# KiCad board 10p_4psw.kicad_pcb (continued)
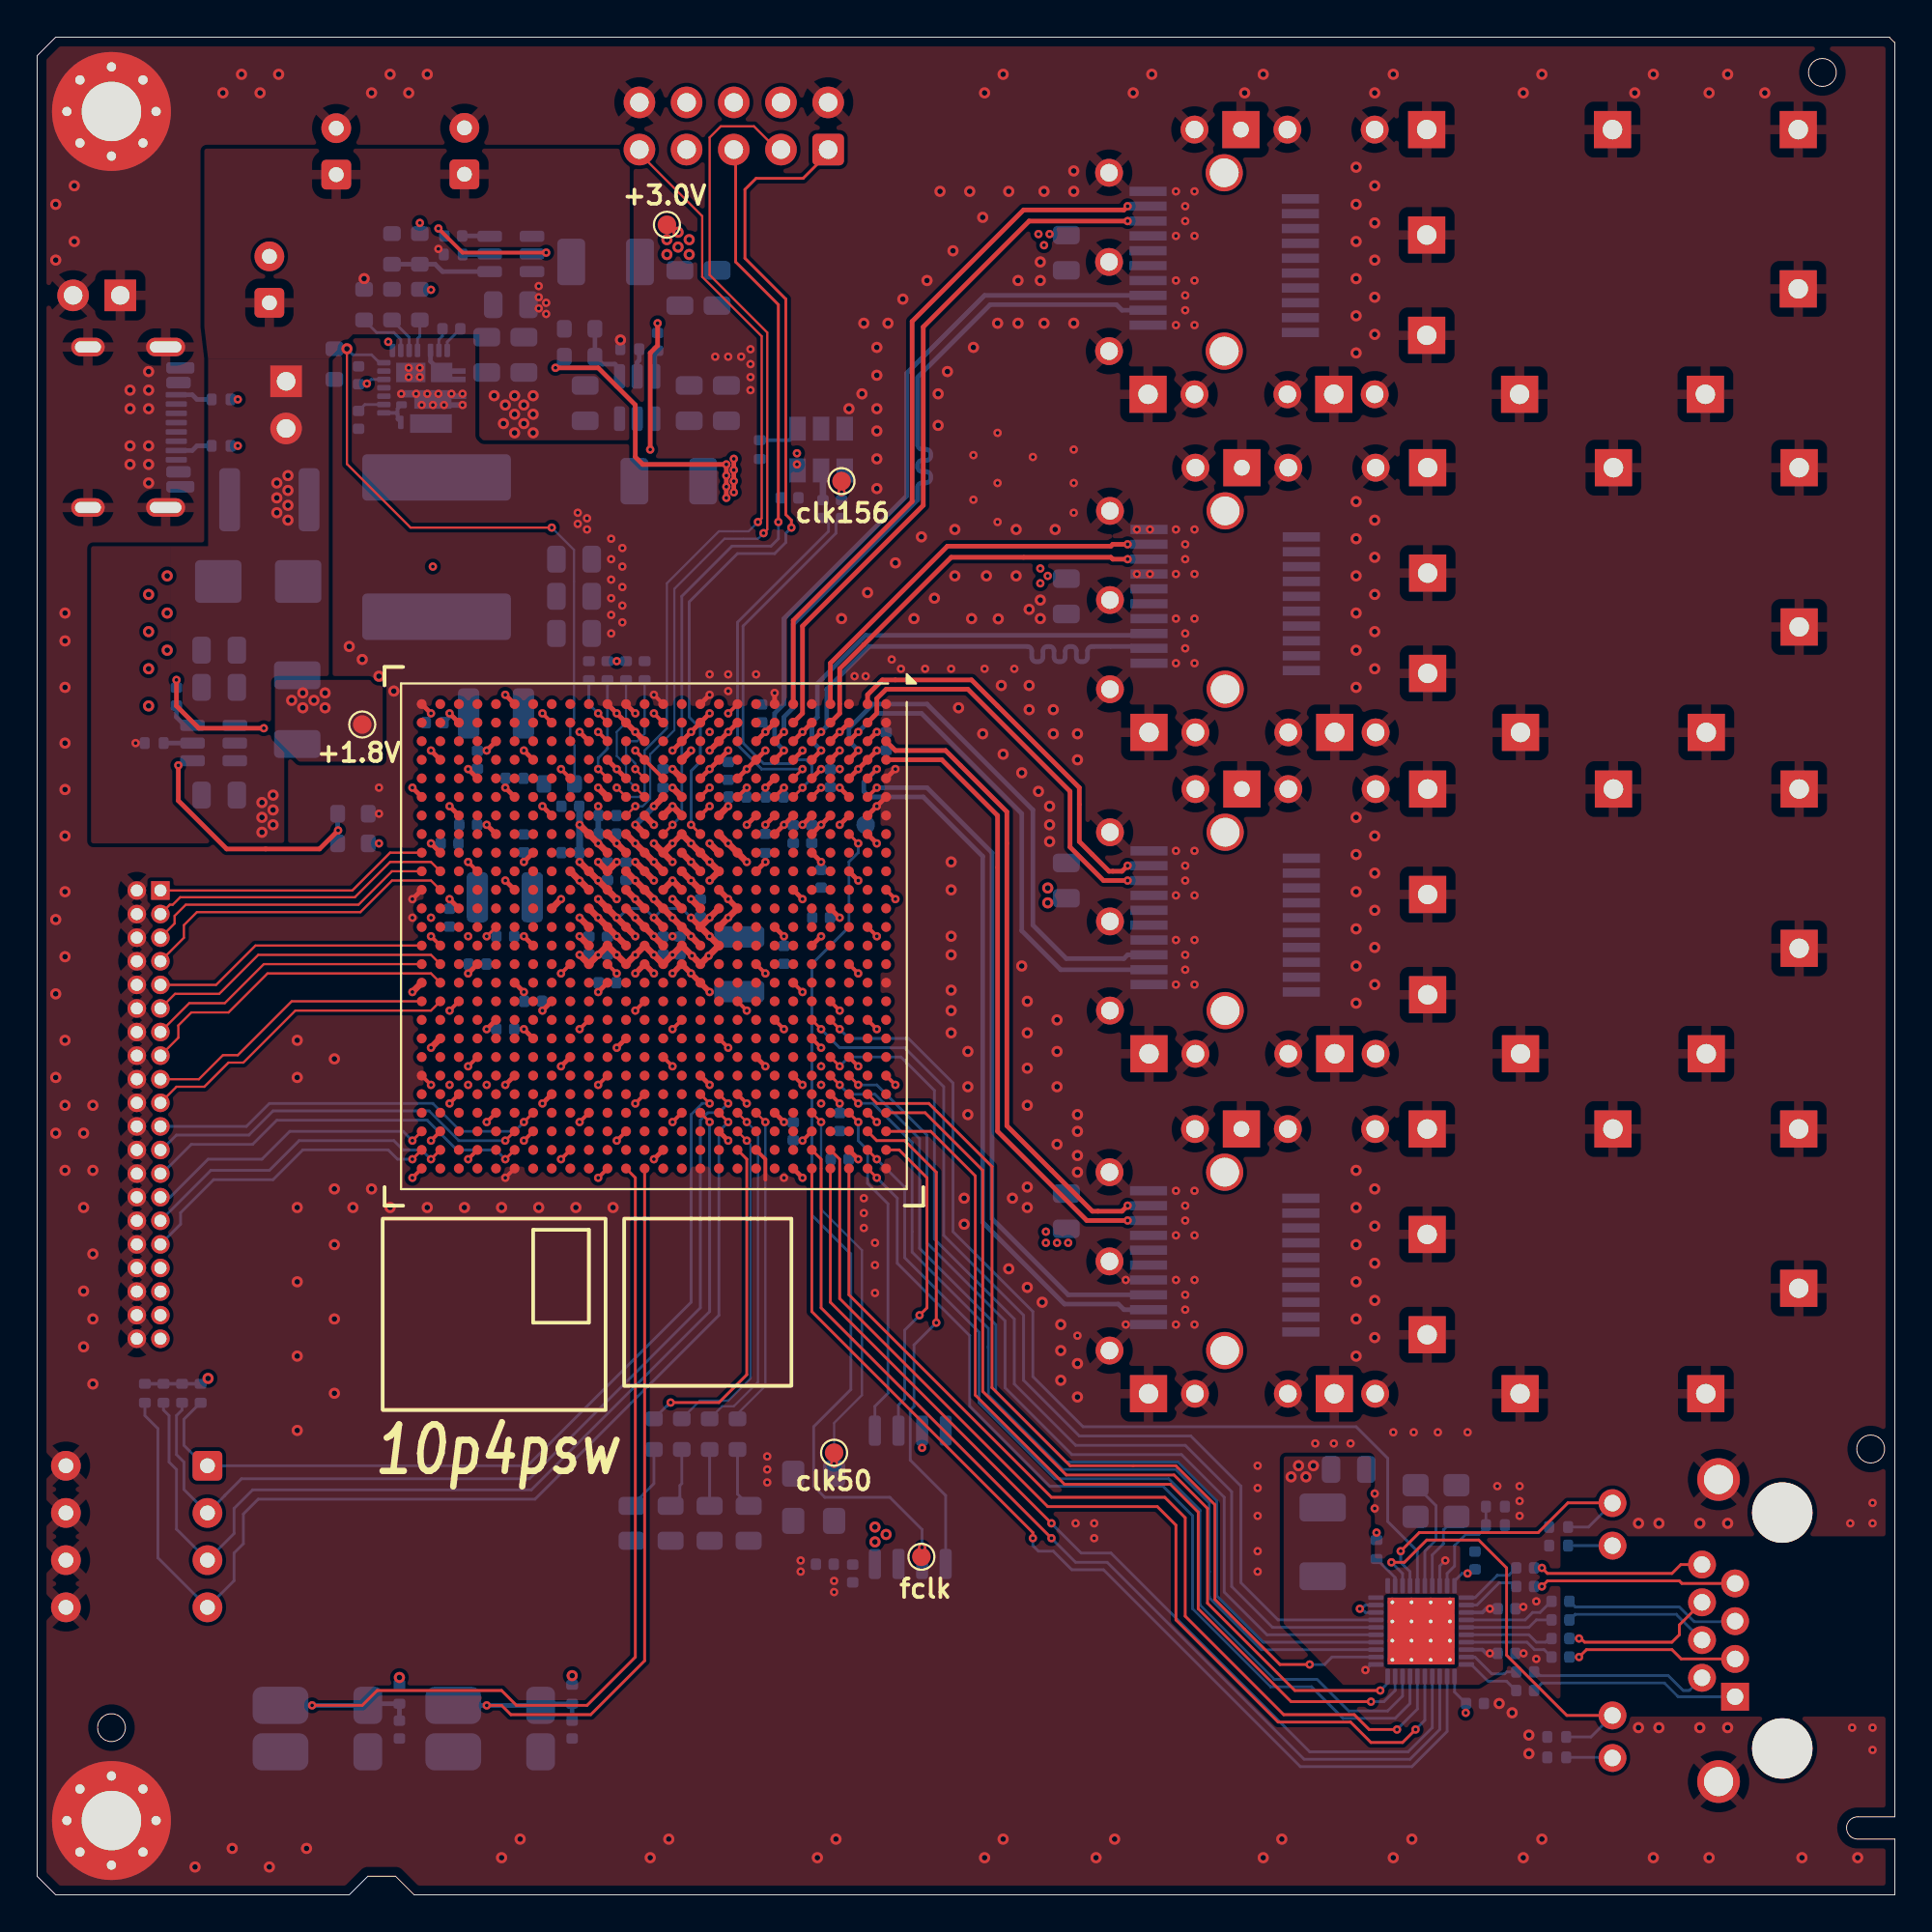
[diagram p0: board, top side]
## Nets
+1V0: C1.1 C2.1 C3.1 C4.1 C11.1 C12.1 C13.1 C14.1 C15.1 C16.1 C23.1 C24.1 C25.1 C26.1 C31.1 C32.1 C33.1 C34.1 C35.1 C54.1 C58.1 L1.2 R1.1 TP2.1 U1.C6 U1.E6 U1.G6 U1.J6 U1.J9 U1.K8 U1.K10 U1.K12 U1.K14 U1.L6 U1.L9 U1.L13 U1.L15 U1.M8 U1.M14 U1.N9 U1.N13 U1.N15 U1.P14 U1.R13 U1.R15 U1.T12 U1.T14 U1.U13 U1.U15 U2.18
+1V2: C27.1 C30.1 C51.1 C52.1 L2.2 R10.2 R25.2 U1.B3 U1.C2 U1.D3 U1.G2 U1.H3 U1.L2 U1.M3 U1.M5
+1V8: C28.1 C29.1 C43.1 C44.1 C45.1 C46.1 C57.1 C79.1 C80.1 C81.1 C104.1 C105.1 C106.1 C107.1 C108.1 L5.2 R27.2 TP3.1 U1.AA1 U1.AA11 U1.AB8 U1.AB18 U1.AC5 U1.AC15 U1.AD2 U1.AD12 U1.AE9 U1.AE19 U1.AF6 U1.AF16 U1.L11 U1.M10 U1.M12 U1.N6 U1.P8 U1.P10 U1.R9 U1.T8 U1.T10 U1.U3 U1.U11 U1.V10 U1.W7 U1.W17 U1.Y4 U1.Y14
+3V0: C40.1 C41.1 C53.1 C60.1 C61.1 C62.1 C70.1 C71.1 C72.1 C86.1 C87.1 C88.1 C89.1 C90.1 C91.1 C97.1 C112.1 C113.1 J1.15 J1.16 J2.15 J2.16 J4.4 J6.15 J6.16 J10.15 J10.16 L6.2 R12.2 R14.1 R23.1 R24.1 R29.1 R30.1 R31.2 R32.2 R33.1 R36.2 R37.2 R47.2 TP4.1 U1.A11 U1.A21 U1.AA21 U1.AC25 U1.AD22 U1.AF26 U1.B8 U1.B18 U1.C15 U1.C25 U1.D12 U1.D22 U1.E9 U1.E19 U1.F16 U1.F26 U1.G13 U1.G23 U1.H10 U1.H20 U1.J17 U1.K24 U1.L7 U1.L21 U1.M18 U1.N25 U1.P7 U1.P22 U1.R19 U1.T6 U1.T16 U1.T26 U1.U23 U1.V20 U1.Y24 U4.11 U4.28 U4.29 U4.40 U5.3 U5.7 U5.8 Y1.6 Y2.4
/AVDD10: C39.1 C42.1 C59.1 L3.2 U4.3 U4.8 U4.21 U4.38
/VBUS: F1.1 J3.A4 J3.A9 J3.B4 J3.B9
GND: C1.2 C2.2 C3.2 C4.2 C11.2 C12.2 C13.2 C14.2 C15.2 C16.2 C18.2 C19.2 C20.2 C21.2 C23.2 C24.2 C25.2 C26.2 C27.2 C28.2 C29.2 C30.2 C31.2 C32.2 C33.2 C34.2 C35.2 C39.2 C40.2 C41.2 C42.2 C43.2 C44.2 C45.2 C46.2 C47.2 C48.2 C51.2 C52.2 C53.2 C54.2 C55.2 C56.2 C57.2 C58.2 C59.2 C60.2 C61.2 C62.2 C70.2 C71.2 C72.2 C79.2 C80.2 C81.2 C84.2 C85.2 C86.2 C87.2 C88.2 C89.2 C90.2 C91.2 C97.2 C104.2 C105.2 C106.2 C107.2 C108.2 C109.2 C110.2 C112.2 C113.2 D1.1 D2.1 D3.1 D4.2 D5.1 H1.1 H3.1 J1.1 J1.3 J1.10 J1.11 J1.14 J1.17 J1.20 J1.CAGE J2.1 J2.3 J2.10 J2.11 J2.14 J2.17 J2.20 J2.CAGE J3.A1 J3.A12 J3.B1 J3.B12 J3.S1 J4.2 J4.10 J5.SH J6.1 J6.3 J6.10 J6.11 J6.14 J6.17 J6.20 J6.CAGE J8.1 J8.2 J9.2 J9.4 J9.6 J9.8 J9.10 J9.12 J9.14 J9.16 J9.18 J9.20 J9.22 J9.24 J9.26 J9.28 J9.30 J9.32 J9.34 J9.36 J9.38 J9.40 J10.1 J10.3 J10.10 J10.11 J10.14 J10.17 J10.20 J10.CAGE R2.2 R5.2 R7.1 R9.1 R11.1 R13.2 R15.1 R16.1 R17.2 R18.1 R22.1 R28.1 R43.2 R44.2 R46.1 SW1.1 SW2.1 SW4.5 SW4.6 SW4.7 SW4.8 U1.A1 U1.A2 U1.A5 U1.A6 U1.A7 U1.A16 U1.A26 U1.AA6 U1.AA16 U1.AA26 U1.AB3 U1.AB13 U1.AB23 U1.AC10 U1.AC20 U1.AD7 U1.AD17 U1.AE4 U1.AE14 U1.AE24 U1.AF1 U1.AF11 U1.AF21 U1.B4 U1.B7 U1.B13 U1.B23 U1.C1 U1.C5 U1.C7 U1.C10 U1.C20 U1.D4 U1.D7 U1.D17 U1.E1 U1.E2 U1.E5 U1.E7 U1.E8 U1.E14 U1.E24 U1.F3 U1.F4 U1.F7 U1.F11 U1.F21 U1.G1 U1.G5 U1.G8 U1.G18 U1.H4 U1.H7 U1.H15 U1.H25 U1.J1 U1.J2 U1.J5 U1.J12 U1.J22 U1.K3 U1.K4 U1.K7 U1.K9 U1.K11 U1.K13 U1.K19 U1.L1 U1.L5 U1.L10 U1.L12 U1.L14 U1.L16 U1.L26 U1.M4 U1.M7 U1.M9 U1.M11 U1.M13 U1.M15 U1.M23 U1.N1 U1.N2 U1.N5 U1.N7 U1.N10 U1.N11 U1.N12 U1.N14 U1.N20 U1.P3 U1.P4 U1.P9 U1.P11 U1.P12 U1.P13 U1.P15 U1.P17 U1.R1 U1.R2 U1.R5 U1.R8 U1.R10 U1.R11 U1.R12 U1.R14 U1.R24 U1.T1 U1.T3 U1.T4 U1.T9 U1.T11 U1.T13 U1.T15 U1.T21 U1.U8 U1.U10 U1.U12 U1.U14 U1.U18 U1.V5 U1.V15 U1.V25 U1.W2 U1.W12 U1.W22 U1.Y9 U1.Y19 U2.13 U2.16 U2.25 U2.27 U3.1 U4.41 U5.4 U6.1 U8.1 Y1.3 Y2.2 Y3.2 Y3.4
/clk50: TP1.1 U1.E23 Y2.3
/config_fclk: TP6.1 U1.C8 U5.6
/config_FCS: U1.C23 U5.1
/config_miso: U1.A25 U5.2
/config_mosi: U1.B24 U5.5
/dbp0: J9.1 U1.AF9
/dbp1: J9.3 U1.AE10
/dbp2: J9.5 U1.AF10
/dbp3: J9.7 U1.AE11
/dbp4: J9.9 U1.AF14
/dbp5: J9.11 U1.AE15
/dbp6: J9.13 U1.AF15
/dbp7: J9.15 U1.AE16
/dbp8: J9.17 U1.AF17
/dbp9: J9.19 U1.AE17
/dip_sw0: R37.1 SW4.1 U1.L22
/dip_sw1: R36.1 SW4.2 U1.K22
/dip_sw2: R32.1 SW4.3 U1.L23
/dip_sw3: R31.1 SW4.4 U1.K23
/dph0: J9.21 U1.Y23
/dph1: J9.23 U1.AA24
/dph2: J9.25 U1.AA25
/dph3: J9.27 U1.AF24
/dph4: J9.29 U1.AE25
/dph5: J9.31 U1.AF25
/dph6: J9.33
/dph7: J9.35
/dph8: J9.37
/dph9: J9.39
/eth1_rs: U1.A8
/eth1_rxlos: U1.A9
/eth1_scl: U1.B10
/eth1_sda: U1.A10
/eth1_txdis: U1.B12
/eth1_txerr: U1.A12
/eth2_rxlos: U1.A19
/eth2_scl: U1.B20
/eth2_sda: U1.A20
/eth7_clk125: U1.AC16
/eth7_mdc: U1.AF20
/eth7_mdio: U1.AF19
/eth7_rst: U1.AE20
/eth7_rx1: U1.AD15
/eth7_rxclk: U1.AB16
/eth7_rxctl: U1.AD14
/eth7_tx2: U1.AE18
/eth7_tx3: U1.AF18
/eth7_txc: U1.AC17
/eth_attach_1: R38.2 U1.H23
/eth_attach_2: R39.2 U1.J23
/eth_attach_3: R50.2 U1.J24
/eth_attach_4: R19.2 U1.J25
/h24: U1.H24
/h26: U1.H26
/j26: U1.J26
/jTCK: J4.1 U1.L8
/jTDI: J4.9 U1.R6
/jTDO: J4.3 U1.R7
/jTMS: J4.5 U1.N8
/RGMII_CLK125: U1.D18 U4.35
/rgmii_mdc: U1.E25 U4.13
/rgmii_mdio: U1.D26 U4.14
/rgmii_phy_led1: J5.10 R17.1 U4.33
/rgmii_phy_led2: J5.12 R13.1 U4.34
/rgmii_rst: U1.E26 U4.12
/rgmii_rx0: U1.C21 U4.25
/rgmii_rx1: U1.D21 U4.24
/rgmii_rx2: U1.C22 U4.23
/rgmii_rx3: U1.B22 U4.22
/rgmii_rxc: U1.E18 U4.27
/rgmii_rxctrl: U1.D20 U4.26
/rgmii_tx0: U1.B25 U4.18
/rgmii_tx1: U1.B26 U4.17
/rgmii_tx2: U1.C26 U4.16
/rgmii_tx3: U1.D25 U4.15
/rgmii_txc: U1.A23 U4.20
/rgmii_txctrl: U1.A24 U4.19
/SFP_REFCLK+: C9.2 U1.F6
/SFP_REFCLK-: C10.2 U1.F5
/SFP_RX0+: J1.13 U1.G4
/SFP_RX0-: J1.12 U1.G3
/SFP_RX1+: J2.13 U1.E4
/SFP_RX1-: J2.12 U1.E3
/SFP_RX2+: J10.13 U1.C4
/SFP_RX2-: J10.12 U1.C3
/SFP_RX3+: J6.13 U1.B6
/SFP_RX3-: J6.12 U1.B5
/SFP_TX0+: J1.18 U1.F2
/SFP_TX0-: J1.19 U1.F1
/SFP_TX1+: J2.18 U1.D2
/SFP_TX1-: J2.19 U1.D1
/SFP_TX2+: J10.18 U1.B2
/SFP_TX2-: J10.19 U1.B1
/SFP_TX3+: J6.18 U1.A4
/SFP_TX3-: J6.19 U1.A3
/sys_btn0: C85.1 R30.2 SW1.2 U1.P26
/sys_rst: C84.1 R29.2 SW2.2 U1.R26
/tdm0+: C5.1 U4.10
/tdm0-: C6.1 U4.9
/tdm1+: C8.1 U4.7
/tdm1-: C17.1 U4.6
/tdm2+: C7.1 U4.5
/tdm2-: C36.1 U4.4
/tdm3+: C38.1 U4.2
/tdm3-: C37.1 U4.1
/V_{in}: C20.1 C21.1 C47.1 C48.1 C55.1 C56.1 C109.1 C110.1 D4.1 F1.2 J7.1 J7.2 R3.2 R6.1 R8.2 R45.2 U2.1 U2.22 U3.3 U6.3 U8.3
Net-(C5-Pad2): C5.2 J5.1
Net-(C6-Pad2): C6.2 J5.2
Net-(C7-Pad2): C7.2 J5.4
Net-(C8-Pad2): C8.2 J5.3
Net-(C17-Pad2): C17.2 J5.6
Net-(C36-Pad2): C36.2 J5.5
Net-(C37-Pad2): C37.2 J5.8
Net-(C38-Pad2): C38.2 J5.7
Net-(D1-A): D1.2 R38.1
Net-(D2-A): D2.2 R39.1
Net-(D3-A): D3.2 R50.1
Net-(D5-A): D5.2 R19.1
Net-(J3-CC1): J3.A5 R43.1
Net-(J3-CC2): J3.B5 R44.1
Net-(J5-Pad9): J5.9 R18.2
Net-(J5-Pad11): J5.11 R15.2
Net-(U1F-MGTRREF_115): R25.1 U1.M6
Net-(U1G-INIT_B_0): R24.2 U1.G7
Net-(U1G-M0_0): R14.2 U1.T5
Net-(U1G-M1_0): R16.2 U1.T2
Net-(U1G-M2_0): R22.2 U1.P5
Net-(U1G-PROGRAM_B_0): R23.2 U1.P6
Net-(U2-BOOT): C22.1 U2.23
Net-(U2-EN): R6.2 U2.19
Net-(U2-FB): R1.2 R2.1 U2.17
Net-(U2-GL-Pad10): U2.10 U2.11 U2.28
Net-(U2-MODE1): R4.2 U2.21
Net-(U2-MODE2): R5.1 U2.20
Net-(U2-PHASE): C22.2 U2.24
Net-(U2-SW): L1.1 U2.5
Net-(U2-V_{DD}): C19.1 R4.1 U2.15
Net-(U2-V_{DRV}): C18.1 U2.12
Net-(U3-BST): C111.1 U3.6
Net-(U3-EN): R45.1 U3.5
Net-(U3-FB): R46.2 R47.1 U3.4
Net-(U3-SW): C111.2 L6.1 U3.2
Net-(U4-LED0): R12.1 U4.32
Net-(U4-REG_O): L3.1 U4.30
Net-(U4-RSET): R7.2 R11.2 U4.39
Net-(U4-XTAL1): U4.36 Y3.3
Net-(U4-XTAL2): U4.37 Y3.1
Net-(U6-BST): C49.1 U6.6
Net-(U6-EN): R8.1 U6.5
Net-(U6-FB): R9.2 R10.1 U6.4
Net-(U6-SW): C49.2 L2.1 U6.2
Net-(U8-BST): C50.1 U8.6
Net-(U8-EN): R3.1 U8.5
Net-(U8-FB): R27.1 R28.2 U8.4
Net-(U8-SW): C50.2 L5.1 U8.2
Net-(Y1-OE): R33.2 Y1.1
Net-(Y1-OUT+): C9.1 TP8.1 Y1.4
Net-(Y1-OUT-): C10.1 Y1.5

Pads without a net: J1 2 4 5 6 7 8 9; J2 2 4 5 6 7 8 9; J3 A6 A7 A8 B6 B7 B8; J4 6 7 8; J6 2 4 5 6 7 8 9; J10 2 4 5 6 7 8 9; U1 A13 A14 A15 A17 A18 A22 AA2 AA3 AA4 AA5 AA7 AA8 AA9 AA10 AA12 AA13 AA14 AA15 AA17 AA18 AA19 AA20 AA22 AA23 AB1 AB2 AB4 AB5 AB6 AB7 AB9 AB10 AB11 AB12 AB14 AB15 AB17 AB19 AB20 AB21 AB22 AB24 AB25 AB26 AC1 AC2 AC3 AC4 AC6 AC7 AC8 AC9 AC11 AC12 AC13 AC14 AC18 AC19 AC21 AC22 AC23 AC24 AC26 AD1 AD3 AD4 AD5 AD6 AD8 AD9 AD10 AD11 AD13 AD16 AD18 AD19 AD20 AD21 AD23 AD24 AD25 AD26 AE1 AE2 AE3 AE5 AE6 AE7 AE8 AE12 AE13 AE21 AE22 AE23 AE26 AF2 AF3 AF4 AF5 AF7 AF8 AF12 AF13 AF22 AF23 B9 B11 B14 B15 B16 B17 B19 B21 C9 C11 C12 C13 C14 C16 C17 C18 C19 C24 D5 D6 D8 D9 D10 D11 D13 D14 D15 D16 D19 D23 D24 E10 E11 E12 E13 E15 E16 E17 E20 E21 E22 F8 F9 F10 F12 F13 F14 F15 F17 F18 F19 F20 F22 F23 F24 F25 G9 G10 G11 G12 G14 G15 G16 G17 G19 G20 G21 G22 G24 G25 G26 H1 H2 H5 H6 H8 H9 H11 H12 H13 H14 H16 H17 H18 H19 H21 H22 J3 J4 J7 J8 J10 J11 J13 J14 J15 J16 J18 J19 J20 J21 K1 K2 K5 K6 K15 K16 K17 K18 K20 K21 K25 K26 L3 L4 L17 L18 L19 L20 L24 L25 M1 M2 M16 M17 M19 M20 M21 M22 M24 M25 M26 N3 N4 N16 N17 N18 N19 N21 N22 N23 N24 N26 P1 P2 P16 P18 P19 P20 P21 P23 P24 P25 R3 R4 R16 R17 R18 R20 R21 R22 R23 R25 T7 T17 T18 T19 T20 T22 T23 T24 T25 U1 U2 U4 U5 U6 U7 U9 U16 U17 U19 U20 U21 U22 U24 U25 U26 V1 V2 V3 V4 V6 V7 V8 V9 V11 V12 V13 V14 V16 V17 V18 V19 V21 V22 V23 V24 V26 W1 W3 W4 W5 W6 W8 W9 W10 W11 W13 W14 W15 W16 W18 W19 W20 W21 W23 W24 W25 W26 Y1 Y2 Y3 Y5 Y6 Y7 Y8 Y10 Y11 Y12 Y13 Y15 Y16 Y17 Y18 Y20 Y21 Y22 Y25 Y26; U2 14; U4 31; Y1 2; Y2 1

## Via types
v1: diameter 0.45, hole 0.2, Top to Bottom, 509 vias
v2: diameter 0.6, hole 0.3, Top to Bottom, 322 vias

## Routing (per net, layer and track width the routed paths; a pad name or vN(x,y) marks a point on that pad's centre or on a via; arc(x,y) is an arc through that point)
+1V0: length 49
  Top w0.2: U1.J6 v1(38.2,59.6) ; U1.E6 v1(42.2,59.6) ; U1.L6 v1(36.2,59.6) ; U1.G6 v1(40.2,59.6)
  Top w0.25: U1.C6 v1(43.2,59.6)
  Top w0.3: v1(35.2,52.6) U1.L13 ; v1(34.2,56.6) U1.M8
  Top w0.35: U1.N9 v1(33.2,56.6) ; U1.N9 v1(34.2,56.6) ; U1.N9 v1(34.2,55.6) ; U1.K12 v1(36.2,52.6) U1.L13 v1(36.2,51.6) U1.K14 v1(36.15,50.55) U1.L15 v1(35.25,50.55) U1.M14 U1.N15 v1(33.2,50.6) U1.P14 v1(32.2,50.6) U1.R15 v1(31.2,50.6) U1.T14 v1(30.2,50.6) U1.U15 v1(29.2,50.6) ; U1.K8 v1(37.2,56.6) U1.J9 v1(38.2,55.6) ; v1(30.2,53.6) U1.T12 v1(31.2,52.6) U1.R13 v1(32.2,51.6) ; v1(36.2,54.6) U1.K10 v1(36.2,55.6) U1.L9 v1(35.2,56.6) U1.M8 ; U1.U13 v1(29.2,52.6) ; U1.N13 v1(33.2,52.6)
  In1.Cu w0.25: v1(18.9,83.6) 18.9,76.6 21.3,74.2 v1(21.3,71.5)
  Bottom w0.15: v1(35.2,52.6) 34.7,53.1 33.7,53.1 v1(33.2,52.6) 32.7,53.1 31.8,53.1 31.3,52.6 v1(31.2,52.6) ; 18.8,83.6 v1(18.9,83.6) 19.12,83.38 U2.18
  vias: v1(34.2,50.6)
+1V2: length 25.1
  Top w0.25: U1.B3 v1(45.2,62.6) ; v1(34.2,61.6) U1.M3 v1(35.2,62.6) U1.L2 v1(36.2,63.6) ; v1(27.9,82.2) 30.2,82.2 32.2,80.2 32.2,77.4 32.6,77 v1(37.1,77) v1(37.1,75.2) ; U1.G2 v1(39.2,62.6) U1.H3 ; U1.D3 v1(43.2,62.6) U1.C2 ; v1(37.5,77.3) v1(37.5,75.5)
  Top w0.35: U1.M5 v1(34.2,60.6)
  Bottom w0.25: R10.2 28.38,82.67 v1(27.9,82.2) ; v1(39.2,62.6) 39.2,62.9 39,63.1 C27.1
  vias: v1(37.1,76.4) v1(37.1,75.8) v1(37.5,76.7) v1(37.5,76.1)
+1V8: length 28
  Top w0.25: U1.Y14 v1(26.2,51.6) ; U1.AA1 v1(25.2,64.6) ; U1.AD12 v1(22.2,53.6) ; U1.AB8 v1(24.2,57.6) ; U1.W7 v1(27.2,58.6) ; U1.U3 v1(29.2,62.6) ; U1.AC5 v1(23.2,60.6) ; U1.Y4 v1(26.2,61.6) ; U1.AA11 v1(25.2,54.6) ; U1.AF6 v1(20.2,59.6) ; U1.AD2 v1(22.2,63.6) ; U1.AC15 v1(23.2,49.6) ; U1.AE9 v1(21.2,56.6) ; U1.W17 v1(27.2,47.6) ; U1.AB18 v1(24.2,46.6)
  Top w0.35: v1(32.2,55.6) U1.P10 v1(33.2,54.6) ; v1(30.2,55.6) U1.T10 v1(31.2,55.6) ; U1.N6 v1(33.2,58.6) ; U1.AF16 v1(20.2,48.6) ; U1.T8 v1(31.2,56.6) U1.R9 ; U1.M10 v1(35.2,54.6) U1.L11 ; U1.V10 v1(29.2,54.6) U1.U11 ; U1.M12 v1(34.2,53.6) ; U1.AE19 v1(21.2,45.6) ; U1.P8 v1(32.2,57.6)
  Bottom w0.2: C104.1 v1(21.2,56.6)
  Bottom w0.25: C57.1 22.2,63.42 v1(22.2,63.6) ; C107.1 27.2,48.08 v1(27.2,47.6) ; C29.1 v1(24.2,57.6) ; v1(24.2,46.6) C108.1 ; C106.1 23.2,50.08 v1(23.2,49.6) ; C28.1 23.68,60.6 v1(23.2,60.6) ; v1(21.2,56.6) 21.2,56.62 ; R27.2 v1(18.4,56.6) ; v1(26.2,51.6) C79.1 ; v1(22.2,53.6) C105.1
  Bottom w0.35: v1(33.2,58.6) v1(32.2,57.6)
  vias: v2(13.7,64.3) v2(14.3,64.7) v2(14.3,63.9) v2(14.9,64.3) v2(15.5,64.7) v2(15.5,63.9)
+3V0: length 48.4
  Top w0.2: U1.P22 v1(32.2,42.6) ; U1.L7 v1(36.2,58.6) ; U1.Y24 v1(26.2,40.6) ; U1.C15 v1(44.2,49.6) ; U1.B18 v1(45.2,46.6) ; U1.J17 v1(38.2,47.6) ; U1.U23 v1(29.2,41.6) ; U1.AC25 v1(23.2,39.6) ; U1.AD22 v1(22.2,42.6) ; U1.M18 v1(34.2,46.6) ; U1.F16 v1(41.2,48.6) ; U1.AF26 v1(20.2,38.6) ; U1.E19 v1(42.2,45.6) ; U1.T26 v1(30.2,38.6) ; U1.A11 v1(46.2,53.6) ; U1.D22 v1(43.2,42.6) ; U1.A21 v1(46.2,43.6)
  Top w0.25: U1.E9 v1(42.2,55.6) ; U1.F26 v1(41.2,38.6) ; U1.G13 v1(40.2,51.6) ; U1.L21 v1(36.2,43.6) ; U1.T16 v1(30.2,48.6) ; U1.AA21 v1(25.2,43.6) ; U1.H20 v1(39.2,44.6) ; U1.G23 v1(40.2,41.6) ; U1.V20 v1(28.2,44.6) ; U1.B8 v1(45.2,56.6) ; U1.D12 v1(43.2,52.6) ; U1.H10 v1(39.2,55.6) ; U1.K24 v1(37.2,40.6) ; U1.C25 v1(44.2,39.6) ; U1.N25 v1(33.2,39.6) ; U1.R19 v1(31.2,45.6)
  Top w0.35: U1.T6 v1(30.2,59.6) ; U1.P7 v1(33.2,57.6)
  In1.Cu w0.2: v1(36.2,58.6) U1.L7 33.7,58.1 v1(33.2,57.6) ; 30.7,64.4 30.7,60.1 v1(30.2,59.6)
  Bottom w0.15: U4.28 71.5,15.2 71.3,15.4 71.5,15.6 U4.29 ; v1(77,17.3) 76.7,17.3 76.3,16.9 U4.40 ; U4.11 76.3,10.92 C61.1 76.92,9.82 v1(76.9,9.8) ; 47.7,24 v1(47.63,24.06) U5.3 ; R12.2 v1(72.1,19.5)
  Bottom w0.2: R14.1 v1(31.2,66.41) R23.1 ; R29.1 v2(19.5,11.7) 19.6,11.8 ; C91.1 v1(44.2,39.6) ; R30.1 v2(28.8,11.8) ; R31.2 R37.2
  Bottom w0.25: R24.1 v1(39.2,55.6) ; C90.1 40.68,41.6 v1(40.2,41.6) ; C71.1 v1(40.2,51.6) ; v1(43.2,52.6) 43.18,52.6 ; R47.2 v1(20.6,90) ; 71.3,15.4 v1(71.2,15.4)
  Bottom w0.3: v1(43.2,52.6) C70.1 ; C89.1 v1(43.2,42.6)
  vias: v1(40.9,77.6) v1(40.9,77) v1(53.9,89.4) v1(54,71.4) v1(54,70.6) v1(54.2,88.8) v1(54.3,35.7) v1(54.3,35.1) v1(54.4,71) v1(54.5,89.4) v1(54.9,35.1) v1(55.5,35.1) v2(9.2,27.8) v2(33.9,89.1) v2(33.9,88.3) v2(34.5,89.5) v2(34.5,88.7) v2(35.1,89.1) v2(35.1,88.3) v2(45.1,19.8) v2(45.1,19) v2(45.7,19.4) v2(54.4,54.2) v2(54.4,53.4)
/AVDD10: length 5.7
  Bottom w0.15: U4.38 75.5,17.7 v1(75.8,18) ; U4.21 71.8,12.4 v1(71.5,12.1)
  Bottom w0.2: U4.8 77.8,13.2 78,13 v1(78.2,13) C39.1 ; U4.3 77.8,15.2 78,15.4 v1(78.2,15.4) C42.1
  vias: v2(67.5,22.5) v2(67.9,23.1) v2(68.3,22.5) v2(68.7,23.1)
GND: length 105.7
  Top w0.15: U1.AB13 v1(24.2,51.6) ; U1.B23 v1(45.2,41.6)
  Top w0.2: U1.AC20 v1(23.2,44.6) ; U1.J22 v1(38.2,42.6) ; U1.B13 v1(45.2,51.6) ; U1.AF21 v1(21.2,43.6) ; 39.2,38.5 39.2,39.6 U1.H25 ; U1.AE14 v1(21.2,51.6) ; U1.R24 v1(31.2,40.6) ; U1.E24 v1(41.2,40.6) ; U1.AB23 v1(24.2,41.6) ; U1.T21 v1(30.2,43.6) ; U1.N2 v1(33.2,63.6) ; U1.K19 v1(37.2,45.6) ; U1.N5 U1.P4 v1(32.2,61.6) ; U1.H15 v1(39.2,49.6) ; U1.J1 v1(37.2,63.6) ; U1.V15 v1(28.2,49.6) ; U1.P17 v1(32.2,47.6) ; U1.V5 v1(28.2,60.6) ; U1.T15 v1(31.2,49.6) ; U1.G18 v1(40.2,46.6) ; U1.AC10 v1(23.2,55.6) ; U1.AE24 v1(21.2,40.6) ; U1.D17 v1(43.2,47.6) ; U1.AD17 v1(22.2,47.6) ; U1.M23 v1(34.2,41.6) ; U1.T3 v1(30.2,62.6) ; U1.C20 v1(44.2,44.6) ; U1.V25 v1(28.2,39.6) ; U1.U18 v1(29.2,46.6) ; U1.N20 v1(34.2,44.6) ; U1.N1 v1(33.2,64.6) ; U1.AA26 v1(25.2,38.6) ; U1.W2 v1(27.2,63.6) ; U1.F21 v1(41.2,43.6)
  Top w0.25: U1.A5 v1(46.2,60.6) ; U1.W22 v1(27.2,42.6) ; U1.R5 v1(31.2,60.6) U1.T4 ; U1.E7 v1(41.2,57.6) ; U1.D4 v1(43.2,61.6) ; U1.AA16 v1(26.2,48.6) ; U1.AD7 v1(22.2,58.6) ; U1.C10 v1(44.2,54.6) ; U1.Y19 v1(26.2,46.6) ; U1.D7 v1(42.2,57.6) U1.E8 ; U1.H7 v1(38.2,57.6) ; U1.R1 v1(32.2,63.6) ; v1(45.2,61.6) U1.B4 v1(44.2,60.6) U1.C5 ; U1.AA6 v1(25.2,59.6) ; U1.AF11 v1(20.2,53.6) ; v1(39.2,61.6) U1.H4 v1(38.2,60.6) U1.J5 ; U1.L5 v1(36.2,60.6) U1.K4 v1(37.2,61.6) ; U1.F4 v1(41.2,61.6) ; U1.F7 v1(40.2,57.6) U1.G8 ; U1.AE4 v1(21.2,61.6) ; U1.R2 v1(31.2,63.6) U1.T1 ; U1.G5 v1(39.2,59.6) ; U1.B7 v1(45.2,58.6) U1.A6 ; U1.E2 U1.F3 ; U1.AB3 v1(24.2,61.6) ; U1.Y9 v1(26.2,55.6) ; U1.L1 v1(36.2,64.6) ; U1.K3 v1(37.2,62.6) U1.J2 ; U1.E14 v1(42.2,51.6) ; U1.E5 v1(42.2,60.6) ; U1.AF1 v1(21.2,63.6) ; U1.G1 v1(39.7,64.7) ; U1.C7 v1(43.2,57.6) ; U1.F11 v1(41.2,53.6)
  Top w0.3: U1.K3 v1(36.2,61.6) ; v1(32.2,49.6) U1.P15 v1(33.2,49.6) ; U1.J12 v1(37.2,53.6) U1.K11 ; U1.P3 v1(32.2,62.6) U1.R2 ; v1(36.2,48.6) U1.L16 v1(35.2,49.6) U1.M15 v1(34.2,49.6)
  Top w0.35: U1.M7 v1(34.2,58.6) U1.N7 ; U1.N11 v1(34.2,54.6) U1.M11 ; U1.R8 v1(32.2,56.6) U1.P9 v1(33.2,55.6) U1.N10 ; U1.L14 v1(35.2,51.6) U1.M13 v1(34.2,52.6) U1.N12 v1(33.2,53.6) U1.P11 v1(32.2,54.6) U1.R10 ; U1.W12 v1(28.2,53.6) ; U1.K9 v1(36.2,56.6) ; U1.P12 v1(32.2,53.6) U1.R11 ; v1(31.2,53.6) U1.T11 v1(30.2,54.6) U1.U10 v1(29.2,55.6) ; U1.U12 v1(30.2,52.6) U1.T13 v1(31.2,51.6) U1.R14 ; v1(29.2,57.6) U1.U8 v1(30.2,56.6) U1.T9 ; U1.K7 v1(37.2,58.6) ; U1.L10 v1(35.2,55.6) U1.M9 ; U1.R12 v1(32.2,52.6) U1.P13 v1(33.2,51.6) U1.N14 ; v1(35.2,61.6) U1.M4 ; U1.L12 v1(35.2,53.6) ; U1.U14 v1(29.2,51.6) ; U1.K13 U1.J12
  Bottom w0.2: C31.2 v1(26.2,55.6)
  Bottom w0.25: R44.2 v1(10.8,80.5) ; v1(26.2,46.6) C108.2
  Bottom w0.3: v1(30.2,58.6) v1(30.2,56.6)
  Bottom w0.35: v1(29.2,55.6) v1(29.2,57.6) 29.2,58.58 C24.2
  vias: v1(10.8,78) v1(18.4,59.6) v1(18.4,58.2) v1(19.6,80.8) v1(20,82.2) v1(20,81.7) v1(20.2,52.6) v1(20.4,80.8) v1(20.6,82.2) v1(20.6,81.7) v1(20.7,80.2) v1(21,80.8) v1(21.2,52.6) v1(21.3,80.2) v1(21.6,80.8) v1(21.9,80.2) v1(22.2,43.6) v1(22.3,80.8) v1(22.9,80.8) v1(22.9,80.2) v1(23.2,51.6) v1(23.2,43.6) v1(24.2,43.6) v1(29.1,74.4) v1(29.1,73.8) v1(29.6,74.1) v1(29.6,73.5) v1(30.9,73) v1(30.9,71.9) v1(30.9,70.8) v1(30.9,69.8) v1(30.9,68.9) v1(30.9,67.9) v1(31.5,72.5) v1(31.5,71.5) v1(31.5,70.4) v1(31.5,69.4) v1(31.5,68.5) v1(34.2,51.6) v1(36.2,65.7) v1(36.2,62.6) v1(36.5,82.8) v1(37.2,82.8) v1(37.2,65.7) v1(37.2,64.8) v1(37.2,52.6) v1(37.9,82.8) v1(38.4,83.2) v1(38.4,82.4) v1(38.4,81.7) v1(38.4,81) v1(38.7,65.7) v1(39.3,23.6) v1(39.3,22.9) v1(39.3,22.2) v1(40.2,38.6) v1(41.1,18) v1(41.1,17.4) v1(41.2,62.6) v1(42.2,44.6) v1(42.2,43.6) v1(42.2,42.6) v1(42.9,16.9) v1(42.9,16.3) v1(43.2,60.6) v1(44,65.6) v1(44.5,37.5) v1(44.5,36.7) v1(44.5,35.9) v1(44.6,65.6) v1(45.1,35.1) v1(45.1,33.9) v1(45.1,32.4) v1(46,66.5) v1(46.5,66) v1(47.8,66) v1(49.2,66) v1(50.4,77.5) v1(50.4,75.1) v1(51,66) v1(51.7,78.7) v1(51.7,76) v1(51.7,73.9) v1(52.6,66) v1(53.6,77.4) v1(55.8,77.8) v1(55.8,76) v1(55.8,74.4) v1(55.9,20) v1(56,30.1) v1(56.9,20) v1(56.9,19.2) v1(58.6,33.1) v1(58.6,30.7) v1(59.2,73.5) v1(59.2,71.1) v1(59.9,73.5) v1(59.9,71.1) v1(61.3,91.7) v1(61.3,89.3) v1(61.3,86.9) v1(61.3,84.5) v1(61.3,73.5) v1(61.3,71.1) v1(61.3,68.7) v1(61.3,66.3) v1(61.3,56.2) v1(61.3,53.8) v1(61.3,51.4) v1(61.3,49) v1(61.3,37.9) v1(61.3,35.5) v1(61.3,33.1) v1(61.3,30.7) v1(61.8,90.9) v1(61.8,90.1) v1(61.8,86.1) v1(61.8,85.3) v1(61.8,72.7) v1(61.8,71.9) v1(61.8,67.9) v1(61.8,67.1) v1(61.8,55.4) v1(61.8,54.6) v1(61.8,50.6) v1(61.8,49.8) v1(61.8,37.1) v1(61.8,36.3) v1(61.8,32.3) v1(61.8,31.5) v1(62.3,91.7) v1(62.3,89.3) v1(62.3,86.9) v1(62.3,84.5) v1(62.3,73.5) v1(62.3,71.1) v1(62.3,68.7) v1(62.3,66.3) v1(62.3,56.2) v1(62.3,53.8) v1(62.3,51.4) v1(62.3,49) v1(62.3,37.9) v1(62.3,35.5) v1(62.3,33.1) v1(62.3,30.7) v1(65.7,23.1) v1(65.7,21.9) v1(65.7,20.4) v1(65.7,18.5) v1(65.7,17.4) v1(68.8,24.3) v1(69.8,24.3) v1(70.7,24.3) v1(72,21.6) v1(72,20.8) v1(73,24.9) v1(74.1,24.9) v1(75.4,24.9) v1(77,24.9) v1(78.6,22) v1(79.8,22) v1(79.8,21.2) v1(79.8,20.4) v1(80,15.5) v1(80.01,13) v1(80.7,15.8) v1(80.7,12.7) v1(97.6,20) v1(97.7,9) v1(98.8,21.1) v1(98.8,20) v1(98.8,9) v1(98.8,7.8) v2(1,91) v2(1,88) v2(1,52.5) v2(1,48.5) v2(1,44) v2(1,41) v2(1.5,69) v2(1.5,67.5) v2(1.5,65) v2(1.5,62) v2(1.5,59.5) v2(1.5,57) v2(1.5,54) v2(1.5,50.5) v2(1.5,46) v2(1.5,42.5) v2(1.5,39) v2(2,92) v2(2,89) v2(2.5,41) v2(2.5,37) v2(2.5,32.5) v2(2.5,29.5) v2(3,42.5) v2(3,39) v2(3,34.5) v2(3,31) v2(3,27.5) v2(5,81) v2(5,80) v2(5,78) v2(5,77) v2(6,82) v2(6,81) v2(6,80) v2(6,78) v2(6,77) v2(6,76) v2(6,70) v2(6,68) v2(6,66) v2(6,64) v2(7,71) v2(7,69) v2(7,67) v2(8.5,1.5) v2(10,97) v2(10.5,2.5) v2(11,98) v2(12,97) v2(12.5,1.5) v2(13,98) v2(14,46) v2(14,44) v2(14,37) v2(14,33) v2(14,29) v2(14,25) v2(14.5,2.5) v2(16,45) v2(16,38) v2(16,35) v2(16,31) v2(16,27) v2(16.8,67.2) v2(17,37) v2(17.5,66.5) v2(18,97) v2(18,38) v2(18.4,65.6) v2(19,98) v2(19,37) v2(19.2,64.8) v2(20,97) v2(21,98) v2(21,37) v2(23,37) v2(25,37) v2(25,2) v2(26,3) v2(27,37) v2(29,37) v2(31,37) v2(33,2) v2(34,3) v2(42,2) v2(43,3) v2(43.3,68.7) v2(43.7,80) v2(44.4,80.8) v2(44.5,84.6) v2(44.7,70.1) v2(45.2,83.3) v2(45.2,81.8) v2(45.2,80) v2(45.2,78.8) v2(45.2,77.3) v2(45.2,75.7) v2(45.8,84.6) v2(46.2,71.7) v2(46.6,85.9) v2(47.2,68.7) v2(47.6,73.1) v2(47.9,86.9) v2(48.3,69.8) v2(48.5,80.8) v2(48.5,79.1) v2(48.6,91.7) v2(49,82) v2(49.2,55.6) v2(49.2,54.1) v2(49.2,51.6) v2(49.2,50.6) v2(49.2,48.7) v2(49.2,47.6) v2(49.2,46.4) v2(49.3,88.5) v2(49.4,73.5) v2(49.4,71) v2(49.6,63.9) v2(49.9,37.5) v2(49.9,36.1) v2(50.1,45.4) v2(50.1,43.5) v2(50.1,42) v2(50.2,91.7) v2(50.3,68.7) v2(50.4,83.3) v2(50.9,90.3) v2(50.9,62.5) v2(51,97) v2(51,2) v2(51.1,71) v2(51.7,84.6) v2(51.74,68.69) v2(51.9,65.1) v2(52,98) v2(52,61.4) v2(52,3) v2(52.3,91.7) v2(52.3,33.7) v2(52.5,37.5) v2(52.7,73.5) v2(52.7,71) v2(52.8,86.9) v2(52.8,84.6) v2(53,60.4) v2(53,50) v2(53.3,48.1) v2(53.3,46.4) v2(53.3,44.5) v2(53.3,42.5) v2(53.3,38.1) v2(53.3,37) v2(53.3,32.7) v2(53.4,69.2) v2(53.4,65.1) v2(53.4,63.8) v2(53.9,59.4) v2(54,87.9) v2(54,86.9) v2(54,69.7) v2(54,68.7) v2(54.1,31.9) v2(54.2,91.7) v2(54.2,84.6) v2(54.5,58.6) v2(54.5,57.6) v2(54.5,56.7) v2(54.7,63.8) v2(54.7,62.5) v2(54.8,73.5) v2(54.9,47.1) v2(54.9,45.4) v2(54.9,43.5) v2(54.9,40.4) v2(55.1,30.7) v2(55.1,29.3) v2(55.1,27.7) v2(55.8,92.8) v2(55.8,91.7) v2(55.8,84.6) v2(56,62.5) v2(56,61.1) v2(56,42) v2(56,41.1) v2(56,39.8) v2(56,38.9) v2(56,28.6) v2(56,26.8) v2(57,2) v2(58,3) v2(59,97) v2(60,98) v2(65,97) v2(66,98) v2(66,2) v2(67,3) v2(71,93) v2(71,91) v2(71,89) v2(71,87) v2(71,85) v2(71,83) v2(71,75) v2(71,73) v2(71,71) v2(71,69) v2(71,67) v2(71,65) v2(71,58) v2(71,56) v2(71,54) v2(71,52) v2(71,50) v2(71,48) v2(71,39) v2(71,37) v2(71,35) v2(71,33) v2(71,31) v2(71,29) v2(72,97) v2(72,92) v2(72,90) v2(72,88) v2(72,86) v2(72,84) v2(72,74) v2(72,72) v2(72,70) v2(72,68) v2(72,66) v2(72,57) v2(72,55) v2(72,53) v2(72,51) v2(72,49) v2(72,38) v2(72,36) v2(72,34) v2(72,32) v2(72,30) v2(73,98) v2(73,2) v2(74,3) v2(78.7,10.3) v2(79.4,9.8) v2(80,97) v2(80,2) v2(80.3,8.6) v2(80.3,7.6) v2(81,98) v2(81,3) v2(86,97) v2(86.2,20) v2(86.2,9) v2(87,98) v2(87,2) v2(87.3,20) v2(87.3,9) v2(89.5,20) v2(89.5,9) v2(90,97) v2(90,2) v2(91,98) v2(91,20) v2(91,9) v2(93,97) v2(95,2) v2(98,2)
